# Altium PCB SupBigBrrg_0.PcbDoc (part 26 of 29) (continued)
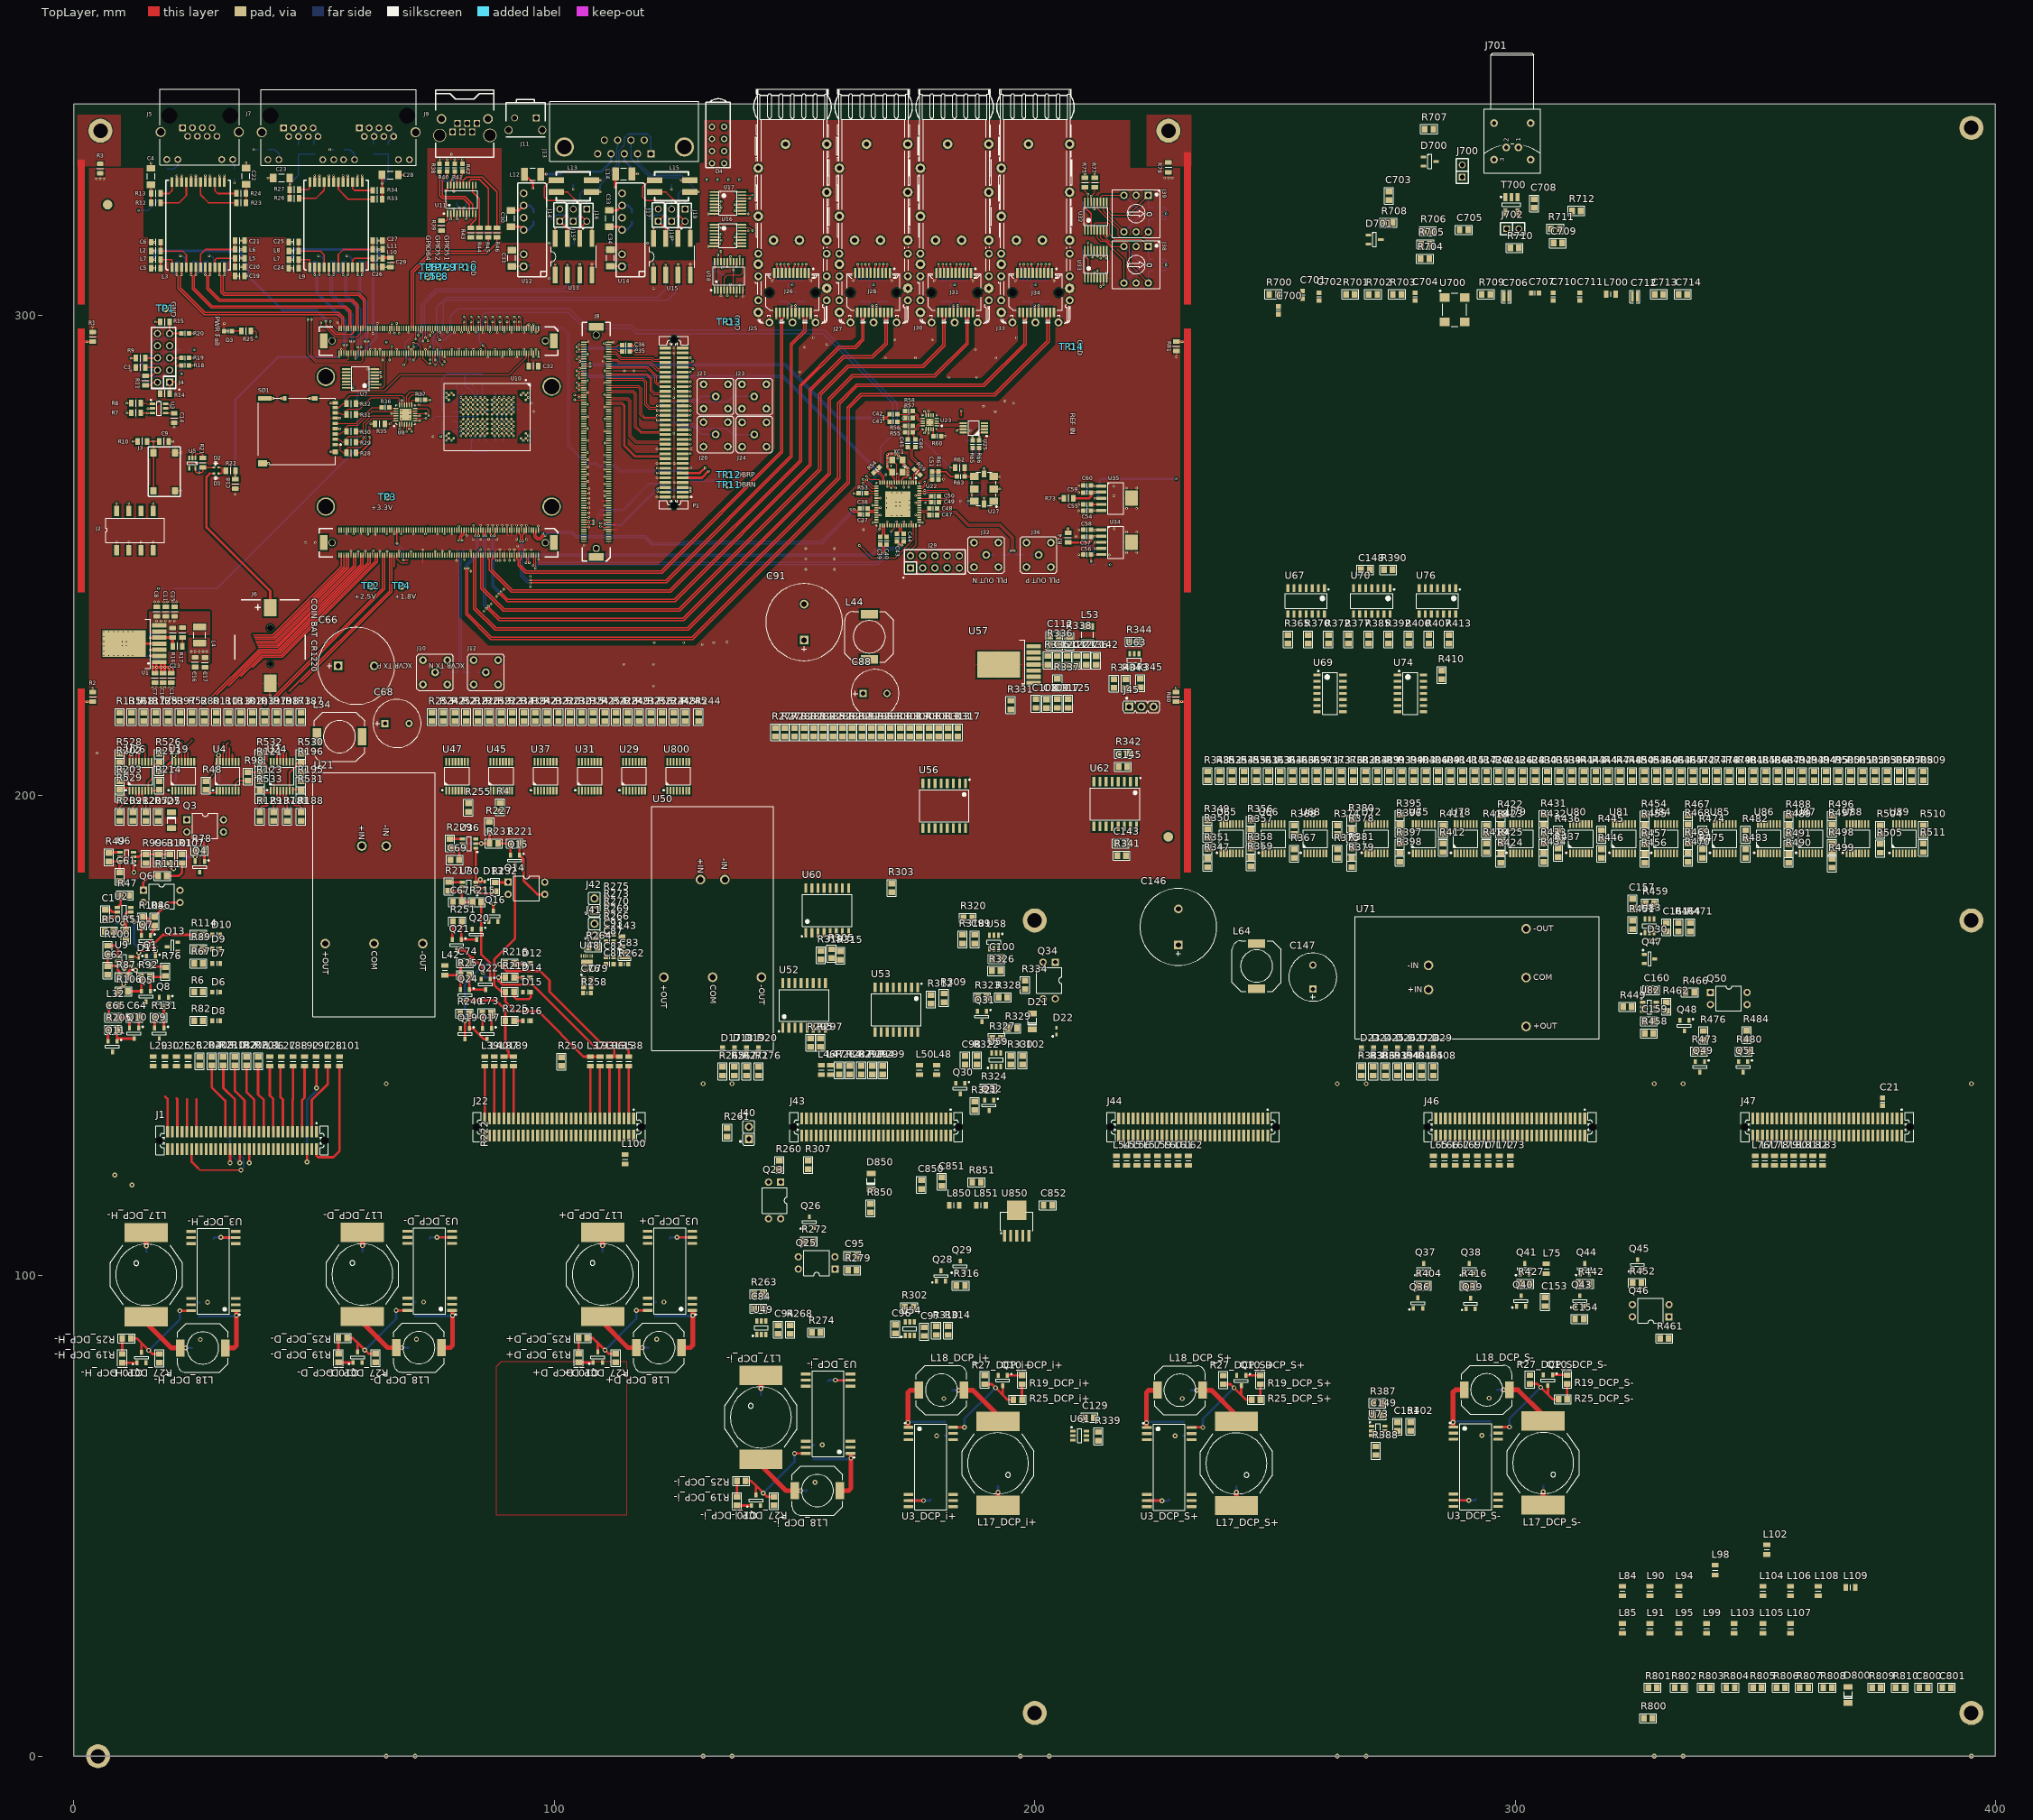
[diagram p0: TopLayer view]
## Nets (pads, with @x,y where several pads share a name; then routed paths per layer and width w, separated by ;. In a path a pad name is that pad's centre, name@x,y a point inside that pad or via, vN(x,y) a via of type N, cw(c..) or ccw(c..) an arc to the next point about the centre after c; other vN are vias at no path point) (continued)
  other v2: 155.75,64.8 229.25,66.7 179.6,66.715 293.1,66.785 27.8,94.5 72.8,94.55 122.8,94.55 12.1,118.9 8.5,121
GPIO51: J8.A82 TP9.1 | length 22.5
  TopLayer w0.15: J8.A82@76.675,292.05 76.675,290.85 v1(77.175,290.35)
  MidLayer4 w0.15: v1(77.175,290.35) 77.45,290.35 77.775,290.675 77.775,291.4 77.075,292.1 77.075,306.8 77.725,307.45 TP9.1@77.725,310
GPIO52: J8.A84 TP7.1 | length 23.6
  TopLayer w0.15: J8.A84@76.175,292.05 76.175,290.175 v1(76.675,289.675)
  MidLayer4 w0.15: TP7.1@75.8,310 77.1,308.7 77.1,307.391 76.675,306.966 v1(76.675,289.675)
GPIO57: J8.A98 R141.1 | length 99.2
  TopLayer w0.15: J8.A98@72.675,292.05 72.675,290.975 73.7,289.95 v1(74.175,289.95)
  MidLayer3 w0.15: v1(74.175,289.95) 74.675,290.45 74.675,295.475 75.325,296.125 75.325,296.775 75.55,297 81.5,297 82.1,297.6 82.1,300.025 83.59,301.515 86.2,301.515 129.734,301.515 131.455,303.236 131.455,317.28 136.525,322.35 136.525,326.25 v1(138.5,328.225)
  BottomLayer w0.15: R141.1@138.5,327.5 v1(138.5,328.225)
GPIO58: J8.A100 TP5.1 | length 19.7
  TopLayer w0.15: v1(70.675,294.175) 71.4,294.175 72.175,293.4 J8.A100@72.175,292.05
  MidLayer4 w0.15: v1(70.675,294.175) 71.35,294.175 74.825,297.65 74.825,306.175 73.625,307.375 TP5.1@73.625,308.075
GPIO63: J8.A92 TP8.1 | length 19.5
  TopLayer w0.15: v1(74.175,290.7) J8.A92@74.175,292.05
  MidLayer4 w0.15: v1(74.175,290.7) 75.18,291.705 75.18,293.055 75.675,293.55 75.675,306.625 76.05,307 TP8.1@76.05,308.075
GPIO64: J8.A94 TP6.1 | length 19.2
  TopLayer w0.15: J8.A94@73.675,292.05 73.675,292.925 v1(74.175,293.425)
  MidLayer4 w0.15: TP6.1@73.875,310 74.825,309.05 74.825,307.25 75.25,306.825 75.25,294.5 v1(74.175,293.425)
GTP_REF0.IO_N: C39.2 J8.B6 | length 78.6
  TopLayer w0.15: v1(95.59,247.875) 95.763,248.047 95.763,249.337 95.675,249.425 J8.B6@95.675,250.05
  TopLayer w0.25: C39.2@167.875,252.275 168.325,251.825 168.325,250.498 v1(168.203,250.375)
  BottomLayer w0.25: v1(95.59,247.875) 95.799,247.875 96.449,248.525 167.15,248.525 168.325,249.7 168.325,250.253 v1(168.203,250.375)
GTP_REF0.IO_P: C40.2 J8.B4 | length 79.5
  TopLayer w0.15: v1(96.06,247.35) 96.088,247.377 96.088,249.337 96.175,249.425 J8.B4@96.175,250.05
  TopLayer w0.25: v1(168.873,250.375) 168.75,250.498 168.75,251.825 C40.2@169.2,252.275
  BottomLayer w0.25: v1(96.06,247.35) 96.06,247.535 96.625,248.1 167.326,248.1 168.75,249.524 168.75,250.253 v1(168.873,250.375)
GTP_REF1.IO_N: C43.2 J8.B12 | length 82.6
  TopLayer w0.15: v1(94.09,248.475) 94.263,248.647 94.263,249.338 94.175,249.425 J8.B12@94.175,250.05
  TopLayer w0.25: C43.2@171.35,252.925 171.813,252.463 171.813,252.248 v1(171.69,252.125)
  BottomLayer w0.25: v1(94.09,248.475) 94.213,248.597 94.213,249.276 95.211,250.275 166,250.275 167.325,251.6 171.613,251.6 171.813,251.8 171.813,252.003 v1(171.69,252.125)
GTP_REF1.IO_P: C44.2 J8.B10 | length 82.6
  TopLayer w0.15: J8.B10@94.675,250.05 94.675,249.425 94.588,249.337 94.588,248.647 v1(94.76,248.475)
  TopLayer w0.25: v1(172.36,252.125) 172.238,252.248 172.238,252.463 C44.2@172.7,252.925
  BottomLayer w0.25: v1(94.76,248.475) 94.638,248.597 94.638,249.1 95.388,249.85 166.176,249.85 167.501,251.175 171.789,251.175 172.238,251.624 172.238,252.003 v1(172.36,252.125)
GTP_REF2.IO_N: C38.2 J8.B5 | length 74.7
  TopLayer w0.25: J8.B5@95.675,255.25 95.675,254.575 95.713,254.537 95.713,253.936 96.424,253.225 97.076,253.225 97.926,254.075 v1(98.1,254.075) ; v1(162.395,259.625) 162.645,259.375 163.2,259.375 C38.2@163.625,259.8
  BottomLayer w0.25: v1(98.1,254.075) 98.549,254.525 103.625,254.525 104.45,253.7 118.8,253.7 120.3,252.201 127.027,252.201 127.251,252.424 155.7,252.424 162.395,259.12 v1(162.395,259.625)
GTP_REF2.IO_P: C37.2 J8.B3 | length 74.2
  TopLayer w0.25: J8.B3@96.175,255.25 96.175,254.575 96.138,254.537 96.138,254.113 96.6,253.65 96.9,253.65 97.626,254.376 v1(97.626,254.549) ; v1(161.725,259.625) 161.725,259.524 162.299,258.95 163.2,258.95 C37.2@163.625,258.525
  BottomLayer w0.25: v1(97.626,254.549) 98.027,254.95 103.801,254.95 104.626,254.125 118.976,254.125 120.476,252.626 126.851,252.626 127.075,252.849 155.523,252.849 161.725,259.051 v1(161.725,259.625)
H_BUSY: J1.30 U4.5 | length 3.2
  TopLayer w0.5: v2(36.5,123.5) J1.30@36.5,126.396
  BottomLayer w0.3: v2@36.25,123.75 v2(36.5,123.5)
H_CNV: J1.26 U4.6
H_MX0: J1.50 U19.3
H_MX1: J1.46 U19.4
H_MX2: J1.42 U19.5
H_POK: C64.1 Q1.1 Q8.1 Q10.1 R87.2 R107.1 R111.1 R527.1 U9.1 | length 18.5
  TopLayer w0.3: 11.65,163.65 v2(12.85,163.65) ; Q1.1@16.95,166.6 v2(16.95,167.7) ; v2(16.95,167.7) 16.975,167.725 16.975,167.75 16.95,167.725 v2(16.95,167.7)
  TopLayer w0.5: R87.2@11.25,162.25 11.25,163.25 11.65,163.65 12,164 12,164.45 U9.1@11.9,164.55 ; Q10.1@13.45,151.6 13.5,151.65 C64.1@13.5,153.75 ; R111.1@19.3,183.25 21.75,183.25 22.5,184 R107.1@22.5,185.95
  BottomLayer w0.3: v2(12.85,163.65) 12.875,163.65 16.95,167.725 v2(16.95,167.7)
H_RSV0_: R188.2 U24.6 | length 6.4
  TopLayer w0.3: U24.6@44.225,201.021 44.225,199.55 44.725,199.05 44.85,199.05 46,197.9 46.95,197.9 47.25,197.6 R188.2@47.25,196.5
H_RSV1_: R181.2 U24.5 | length 4.9
  TopLayer w0.3: U24.5@43.575,201.021 43.575,199.25 44.4,198.425 R181.2@44.4,196.5
H_RSV2_: R137.2 U24.4 | length 5.1
  TopLayer w0.3: R137.2@41.55,196.5 41.55,198.05 42.925,199.425 U24.4@42.925,201.021
H_RSV3_: R129.2 U24.3 | length 6.5
  TopLayer w0.3: R129.2@38.7,196.5 38.7,197.325 39.2,197.825 40.069,197.825 42.275,200.031 U24.3@42.275,201.021
H_RSV4_: R212.2 U26.4 | length 5.1
  TopLayer w0.3: R212.2@12.25,196.5 12.25,197.6 13.529,198.879 U26.4@13.529,201.021
H_RSV5_: R209.2 U26.3 | length 7
  TopLayer w0.3: R209.2@9.5,196.5 9.5,197.525 10.175,198.2 12.025,198.2 12.879,199.054 U26.3@12.879,201.021
H_RSV6_: R207.2 U26.5 | length 4.9
  TopLayer w0.3: U26.5@14.179,201.021 14.179,199.071 15,198.25 R207.2@15,196.5
H_SCLK: J1.34 U4.4 | length 5
  TopLayer w0.5: v2(34.5,123.5) J1.34@34.5,126.396
  BottomLayer w0.3: 33,125 v2(34.5,123.5)
H_SDO: J1.38 U4.3 | length 8.7
  TopLayer w0.5: v2(32.5,123.5) J1.38@32.5,126.396
  BottomLayer w0.3: 31.75,129 32.5,128.25 v2(32.5,123.5)
H_SW: J1.22 U19.6
HPS_PORn: J8.A132 R8.2 U3.1 U10.M5 | length 81.7
  TopLayer w0.15: R8.2@13.925,281.675 15.025,281.675 15.165,281.535 U3.1@16.335,281.535 17.16,281.535 v1(17.675,282.05) ; v1(64.175,290.675) J8.A132@64.175,292.05 ; v1(82.55,279.875) U10.M5@83.05,279.375
  MidLayer3 w0.15: v1(17.675,282.05) 29.724,282.05 32.574,284.9 56.2,284.9 56.9,285.6 62.675,285.6 63.5,286.425 64.075,286.425 64.5,286.85 64.5,288.525 64.175,288.85 v1(64.175,290.675)
  MidLayer4 w0.15: v1(64.175,290.675) 67.5,287.35 70.35,287.35 77.325,280.375 82.05,280.375 v1(82.55,279.875)
HPS_RSTn: C9.1 J3.1 J3.2 J8.A124 R10.2 R190.1 | length 88.7
  TopLayer w0.15: J8.A124@66.175,292.05 v1(66.175,293.425)
  TopLayer w0.25: R10.2@15.225,273.725 15.24,273.71 v1(16.535,273.71) ; J3.1@16.535,263.435 J3.2@16.535,271.385 v1(16.535,273.71) ; C9.1@17.735,273.735 16.56,273.735 v1(16.535,273.71)
  MidLayer3 w0.15: v1(16.535,273.71) 16.535,282.46 18.65,284.575 18.65,289.2 19.25,289.8 20.525,289.8 21.445,288.88 25.055,288.88 26.05,289.875 26.05,291.745 v1(25.01,292.785) 25.01,294.163 27.117,296.27 60.898,296.27 61.862,295.305 65.47,295.305 66.175,294.6 v1(66.175,293.425)
  BottomLayer w0.3: R190.1@23.96,292.785 v1(25.01,292.785)
I2C_SCL: J8.A111
I2C_SDA: J8.A113
IN0_N: C114.2 U22.64 | length 2.6
  TopLayer w0.15: U22.64@175.975,264.425 176.7,264.425 177.1,264.825 v1(177.1,265.25)
  BottomLayer w0.15: v1(177.1,265.25) C114.2@177.1,266.175
IN0_P: C51.2 U22.63 | length 3.7
  TopLayer w0.15: U22.63@175.975,263.925 176.675,263.925 177.875,265.125 177.875,265.625 178.075,265.825 C51.2@178.625,265.825
in1: J44.23 U68.3
IN1_N: C45.2 R59.1 U22.2 | length 9.4
  TopLayer w0.15: C45.2@173.725,272.55 174.225,272.05 174.225,270.375 175.875,268.725 175.875,267.885 175.433,267.442 ; U22.2@174.775,265.125 174.775,265.625 174.863,265.713 174.863,266.872 175.433,267.442 ; R59.1@174.984,267.891 175.433,267.442
IN1_P: C46.2 R59.2 U22.1 | length 9.4
  TopLayer w0.15: C46.2@175.075,272.55 174.55,272.025 174.55,270.51 176.2,268.86 176.2,267.75 175.65,267.2 ; U22.1@175.275,265.125 175.275,265.625 175.188,265.713 175.188,266.737 175.65,267.2 ; R59.2@176.116,266.759 175.675,267.2 175.65,267.2
in2: J44.27 U68.4
IN2_N: C36.2 R54.1 U22.15 | length 90.4
  TopLayer w0.15: v1(166.828,267.528) 167.072,267.528 168.363,266.238 168.363,265.713 168.275,265.625 U22.15@168.275,265.125
  TopLayer w0.25: C36.2@115.7,293.8 116.3,293.8 116.628,293.472 v1(117.125,293.472)
  BottomLayer w0.15: v1(166.828,267.528) v1@166.828,267.722
  BottomLayer w0.25: v1(117.125,293.472) 117.003,293.35 106.649,293.35 105.9,292.601 105.9,288.199 107.074,287.025 147.525,287.025 v1@166.828,267.722
IN2_P: C35.2 R54.2 U22.14 | length 89.6
  TopLayer w0.15: v1(167.302,268.002) 167.302,267.758 168.688,266.372 168.688,265.713 168.775,265.625 U22.14@168.775,265.125
  TopLayer w0.25: C35.2@115.7,292.475 116.3,292.475 116.628,292.802 v1(117.125,292.802)
  BottomLayer w0.15: v1@167.149,268.002 v1(167.302,268.002)
  BottomLayer w0.25: v1(117.125,292.802) 117.003,292.925 106.825,292.925 106.325,292.425 106.325,288.375 107.25,287.45 147.701,287.45 v1@167.149,268.002
in3: J44.31 U68.5
in4: J44.35 U68.6
in5: J44.39 U78.3
in6: J44.43 U78.4
in7: J44.47 J47.23 U78.5
in8: J46.23 U78.6
in9: J46.27 U80.3
in10: J46.31 U80.4
in11: J46.35 U80.5
in12: J46.39 U80.6
in13: J46.43 U85.3
in14: J46.47 U85.4
in15: J47.27 U85.5
in16: J47.31 U85.6
in17: J47.35 U89.6
in18: J47.39 U89.5
in19: J47.43 U89.4
in20: J47.47 U89.3
inOut1: J44.38 U65.6
inOut2: J44.42 U65.5
inOut3: J44.46 U65.4
inOut4: J44.50 U65.3
inOut5: J44.54 U72.6
inOut6: J44.58 U72.5
inOut7: J44.62 J46.38 U72.4
inOut8: J46.42 U72.3
inOut9: J46.46 U79.6
inOut10: J46.50 U79.5
inOut11: J46.54 U79.4
inOut12: J46.58 U79.3
inOut13: J46.62 U84.6
inOut14: J47.38 U84.5
inOut15: J47.42 U84.4
inOut16: J47.46 U84.3
inOut17: J47.50 U87.6
inOut18: J47.54 U87.5
inOut19: J47.58 U87.4
inOut20: J47.62 U87.3
intG: C9_DCP_i+.2 C9_DCP_i-.2 C13_DCP_i+.2 C13_DCP_i-.2 C84.1 C94.1 C95.2 C96.1 C97.1 C98.1 C99.2 C100.2 C102.1 C143.1 C274.1 C280.1 C287.1 C288.2 C289.1 C291.1 C292.2 C295.1 C850.2 C851.2 C852.2 D17.1 D18.2 D19.1 D20.2 D21.2 D22.2 D850.2 J40.2 J43.4 J43.8 J43.12 J43.16 J43.20 J43.24 J43.28 J43.32 J43.36 J43.40 J43.44 J43.48 J43.52 J43.56 J43.60 J43.64 Q23.3 Q25.2 Q25.4 Q28.2 Q30.2 Q34.2 Q34.4 R261.2 R268.2 R310.2 R318.2 R330.2 U3_DCP_i+.13 U3_DCP_i-.13 U49.5 U50.4 U52.2 U52.8 U53.9 U53.15 U54.2 U56.9 U56.15 U58.5 U59.2 U60.2 U60.8 U62.9 U62.15 U850.3 U850.6 | length 12.6
  TopLayer w0.5: v2(158.5,78.3) 158.515,78.285 U3_DCP_i-.13@161.65,78.285 ; U3_DCP_i+.13@173.7,53.23 176.835,53.23 v2(176.85,53.215)
  BottomLayer w0.5: C13_DCP_i-.2@157,78.1 157.2,78.3 v2(158.5,78.3) 159.8,78.3 C9_DCP_i-.2@160,78.1 ; C9_DCP_i+.2@175.35,53.415 175.55,53.215 v2(176.85,53.215) 178.15,53.215 C13_DCP_i+.2@178.35,53.415
IO_AL1: J8.A15 U22.12 | length 101
  TopLayer w0.15: v1(92.675,299.625) 93.175,299.125 J8.A15@93.175,297.25 ; U22.12@169.775,265.125 169.775,264.425 v1(170.175,264.025)
  MidLayer3 w0.15: v1@170.175,263.975 v1(170.175,264.025)
  MidLayer4 w0.15: v1(92.675,299.625) 93.105,300.055 93.3,300.055 125.155,300.055 130.13,295.08 146.729,295.08 168.325,273.484 168.325,268.4 170.175,266.55 v1(170.175,264.025)
IO_AL2: J8.A17 U22.18 | length 97.2
  TopLayer w0.15: J8.A17@92.675,297.25 v1(92.675,298.575) v1@92.675,298.625 ; v1(164.25,265.8) 166.125,263.925 U22.18@167.075,263.925
  MidLayer4 w0.15: v1(92.675,298.575) 93.495,298.575 94.335,299.415 124.89,299.415 129.865,294.44 146.464,294.44 164.25,276.654 v1(164.25,265.8)
IO_AL3: J8.A19 U22.16 | length 99.6
  TopLayer w0.15: v1(91.675,299.625) 92.175,299.125 J8.A19@92.175,297.25 ; v1(165,266.45) 165.625,265.825 167.55,265.825 167.775,265.6 U22.16@167.775,265.125
  MidLayer4 w0.15: v1(91.675,299.625) 92.175,299.125 93.225,299.125 93.835,299.735 125.023,299.735 129.998,294.76 146.596,294.76 164.57,276.786 164.57,266.88 v1(165,266.45)
IO_AL4: J8.A21 U22.19 | length 98.8
  TopLayer w0.15: J8.A21@91.675,297.25 v1(91.675,298.575) v1@91.675,298.625 ; v1(164.225,265.075) 165.875,263.425 U22.19@167.075,263.425
  MidLayer4 w0.15: v1(91.675,298.575) 92.17,298.08 93.452,298.08 94.467,299.095 124.758,299.095 129.733,294.12 146.331,294.12 163.9,276.551 163.9,266.325 163.755,266.18 163.755,265.545 v1(164.225,265.075)
IO_AL5: J8.A25 R119.2 U27.7 | length 123.1
  TopLayer w0.15: v1(90.175,299.625) 90.675,299.125 J8.A25@90.675,297.25
  TopLayer w0.25: U27.7@189.45,260.75 v1(189.45,261.925)
  MidLayer4 w0.15: v1@90.15,299.65 90.901,300.401 125.299,300.401 130.3,295.4 146.925,295.4 169.665,272.66 176.215,272.66 179.225,269.65 185.975,269.65 188.375,267.25 188.375,263 v1(189.45,261.925)
  BottomLayer w0.25: v1(189.45,261.925) 189.45,260.75 R119.2@189.525,260.675
IO_AL6: J8.A27 U22.47 | length 126.2
  TopLayer w0.15: J8.A27@90.175,297.25 v1(90.175,298.625) ; v1(163.5,252.075) 166.05,249.525 170.95,249.525 174.775,253.35 U22.47@174.775,256.225
  MidLayer4 w0.15: v1(90.175,298.625) 90.625,298.625 91.525,297.725 93.55,297.725 94.6,298.775 124.625,298.775 129.6,293.8 146.199,293.8 163.58,276.419 163.58,266.68 163.325,266.425 163.325,265.35 163.5,265.175 v1(163.5,252.075)
IO_AL7: J8.A31 R120.2 U27.8 | length 119.9
  TopLayer w0.15: v1(88.675,299.625) 89.175,299.125 J8.A31@89.175,297.25
  TopLayer w0.25: U27.8@189.45,266.95 v1(189.45,268.125)
  MidLayer4 w0.15: v1(88.675,299.625) 90.091,301.041 125.564,301.041 130.565,296.04 147.19,296.04 169.93,273.3 176.547,273.3 179.272,270.575 187,270.575 v1(189.45,268.125)
  BottomLayer w0.25: R120.2@189.425,267.025 189.425,268.1 v1(189.45,268.125)
IO_AL8: J8.A33 U27.2 | length 123.1
  TopLayer w0.15: J8.A33@88.675,297.25 v1(88.675,298.625)
  TopLayer w0.25: U27.2@191.45,263.85 v1(192.75,263.85)
  MidLayer4 w0.15: v1(88.675,298.625) 89.5,299.45 89.5,299.825 90.396,300.721 90.55,300.721 125.431,300.721 130.433,295.72 147.058,295.72 169.798,272.98 176.37,272.98 179.25,270.1 186.5,270.1 v1(192.75,263.85)
IO_AL9: J8.A37 R66.1 | length 118.5
  TopLayer w0.15: v1(87.175,299.625) 87.675,299.125 J8.A37@87.675,297.25 ; v1(188.45,271.175) R66.1@188.45,272.325
  MidLayer4 w0.15: v1(87.175,299.625) 89.261,301.711 125.841,301.711 130.843,296.71 147.468,296.71 170.208,273.97 176.783,273.97 179.003,271.75 187.875,271.75 v1(188.45,271.175)
IO_AL10: J8.A39 R65.1 | length 116.2
  TopLayer w0.15: J8.A39@87.175,297.25 v1(87.175,298.625) ; v1(187.075,271.175) R65.1@187.075,272.325
  MidLayer4 w0.15: v1(87.175,298.625) 87.775,299.225 87.775,299.5 89.666,301.391 125.709,301.391 130.71,296.39 147.335,296.39 170.075,273.65 176.65,273.65 179.125,271.175 v1(187.075,271.175)
IO_AL11: J8.A49 R77.1 U16.14 U17.14 U18.18 U32.14 U33.14 | length 177.3
  TopLayer w0.15: v1(84.175,299.625) 84.675,299.125 J8.A49@84.675,297.25 ; U18.18@134.7,311.125 v1@134.7,313.4 ; U16.14@139.095,317.575 v1(140.35,317.575) ; U17.14@139.095,324.35 v1(140.7,324.35) ; U33.14@211.75,313.52 v1(211.75,314.79) ; U32.14@211.75,323.545 v1(211.75,324.815) 212.525,325.59 R77.1@212.525,326.6
  MidLayer3 w0.15: v1(84.175,299.625) 84.175,299.9 84.82,300.545 86.2,300.545 130.135,300.545 132.425,302.835 132.425,312.125 133.6,313.3 v1(134.675,313.3) 135.175,313.8 138.325,313.8 140.35,315.825 v1(140.35,317.575) 140.35,318.55 139.525,319.375 139.525,322.278 140.7,323.453 v1(140.7,324.35) 140.7,327.025 142.02,328.345 143.867,328.345 210.433,328.345 211.42,327.358 211.42,326.105 211.75,325.775 v1(211.75,324.815) v1(211.75,314.79)
IO_AL12: J8.A51 R75.1 U16.15 U17.15 U18.19 U32.15 U33.15 | length 177
  TopLayer w0.15: J8.A51@84.175,297.25 v1(84.175,298.625) ; U18.19@134.05,311.125 v1(134.05,312.55) ; U16.15@139.095,318.225 140.675,318.225 v1(141.275,317.625) ; U17.15@139.095,325 v1(141.2,325) ; R75.1@210.475,326.6 210.475,325.815 v1(211.1,325.19) U32.15@211.1,323.545 ; U33.15@211.1,313.52 v1(211.1,315.165)
  MidLayer3 w0.15: v1(84.175,298.625) 84.725,299.175 84.725,299.65 85.295,300.22 86.2,300.22 130.27,300.22 132.75,302.7 132.75,311.9 133.38,312.53 134.7,312.53 135.65,313.48 138.58,313.48 141.275,316.175 v1(141.275,317.625) 141.275,318.175 139.845,319.605 139.845,322.095 141.2,323.45 v1(141.2,325) 141.2,326.885 142.34,328.025 210.3,328.025 211.1,327.225 v1(211.1,325.19) v1(211.1,315.165)
IO_AL13: J8.A55 R139.1 U17.13 | length 82.2
  TopLayer w0.15: v1(82.675,299.625) 83.175,299.125 J8.A55@83.175,297.25 ; v1(137.9,323.7) U17.13@139.095,323.7
  MidLayer3 w0.15: v1(82.675,299.625) 82.675,299.875 83.995,301.195 84.925,301.195 129.866,301.195 131.775,303.104 131.775,312.65 133.375,314.25 133.375,316.6 134.375,317.6 137.525,317.6 139.175,319.25 139.175,323.15 138.625,323.7 v1(137.9,323.7)
  BottomLayer w0.15: v1(137.9,323.7) R139.1@139.15,323.7
IO_AL14: J8.A57 R140.1 U16.13 | length 72.4
  TopLayer w0.15: J8.A57@82.675,297.25 v1(82.675,298.625) ; v1(137.9,316.925) U16.13@139.095,316.925
  MidLayer3 w0.15: v1(82.675,298.625) 83.225,299.175 83.225,299.675 84.42,300.87 86.2,300.87 130.001,300.87 132.1,302.969 132.1,312.35 133.675,313.925 134.2,313.925 137.2,316.925 v1(137.9,316.925)
  BottomLayer w0.15: v1(137.9,316.925) R140.1@139.1,316.925
IO_AL15: J8.A61 R145.1 | length 81.2
  TopLayer w0.15: v1(81.175,299.625) 81.675,299.125 J8.A61@81.675,297.25
  MidLayer3 w0.15: v1(81.175,299.625) 81.175,300.7 82.63,302.155 129.469,302.155 130.815,303.502 130.815,317.545 133.525,320.255 133.525,327.75 v1(134,328.225)
  BottomLayer w0.15: R145.1@134,327.5 v1(134,328.225)
IO_AL16: J8.A63 R143.1 | length 81.8
  TopLayer w0.15: J8.A63@81.175,297.25 v1(81.175,298.625)
  MidLayer3 w0.15: v1(81.175,298.625) 81.75,299.2 81.75,300.5 83.085,301.835 86.2,301.835 129.601,301.835 131.135,303.369 131.135,317.413 136.205,322.483 136.205,328.18 v1(136.25,328.225)
  BottomLayer w0.15: R143.1@136.25,327.5 v1(136.25,328.225)
IO_AL17: J8.A67
IO_AL18: J8.A69
IO_AL19: J8.A73
IO_AL20: J8.A75
IO_AL21: J8.A79
IO_AL22: J8.A81
IO_AL25: J8.A85 R62.2 | length 132.2
  TopLayer w0.15: J8.A85@75.675,297.25 75.675,295.375 v1(76.175,294.875) ; v1(182.45,268.25) R62.2@183.425,268.25
  BottomLayer w0.25: v1(76.175,294.875) 77.175,294.875 78.375,296.075 78.375,299.825 79.857,301.307 80.6,301.307 103.193,301.307 106.543,297.957 116.168,297.957 117.025,297.1 117.25,296.875 156.2,296.875 171.375,281.7 171.375,275.225 172.975,273.625 177.075,273.625 v1(182.45,268.25)
IO_AR1: J8.A16
IO_AR2: J8.A18
IO_AR3: J8.A22
IO_AR4: J8.A24
IO_AR5: J8.A28
IO_AR6: J8.A30
IO_AR7: J8.A34
IO_AR8: J8.A36
IO_AR9: J8.A40
IO_AR10: J8.A42
IO_AR11: J8.A46 R53.2 | length 125.8
  TopLayer w0.15: v1(85.175,293.75) 85.675,293.25 J8.A46@85.675,292.05 ; v1(162.375,262.925) R53.2@163.325,262.925
  BottomLayer w0.25: v1(85.175,293.75) 84.425,294.5 84.425,297.1 84.975,297.65 84.975,299.9 85.675,300.6 102.9,300.6 106.25,297.25 115.875,297.25 116.975,296.15 155.925,296.15 170.4,281.675 170.4,275.1 167.9,272.6 167.9,267.3 163.525,262.925 v1(162.375,262.925)
IO_AR12: J8.A48
IO_AR13: J8.A52
IO_AR14: J8.A54
IO_AR15: J8.A58
IO_AR16: J8.A60
IO_AR17: J8.A64
IO_AR18: J8.A66
IO_AR19: J8.A70
IO_AR20: J8.A72
IO_AR21: J8.A76
IO_AR22: J8.A78
IO_BL1: J8.B7
IO_BL2: J8.B9 | length 0.1
  TopLayer w0.25: 94.675,255.875 94.72,255.92
IO_BL3: J8.B57 R361.2
IO_BL4: J8.B59 R363.2 | length 0.1
  TopLayer w0.15: J8.B59@82.175,255.25 J8.B59@82.215,255.21
IO_BL5: J8.B75 R364.2
IO_BL6: J8.B77 R366.2
IO_BL7: J8.B81 R369.2
IO_BL8: J8.B83 R371.2
IO_BL9: J8.B87 R373.2
IO_BL10: J8.B89 R376.2
IO_BL11: J8.B91 R348.2
IO_BL12: J8.B93 R352.2 | length 0
  TopLayer w0.25: 73.675,255.875 73.7,255.9
IO_BL13: J8.B97 R354.2
IO_BL14: J8.B99 R355.2
IO_BL15: J8.B101 R399.2
IO_BL16: J8.B103 R406.2
IO_BL17: J8.B107 R286.1
IO_BL18: J8.B109 R285.1
IO_BL19: J8.B111 R288.1
IO_BL20: J8.B113 R245.2
IO_BL21: J8.B117 R256.2
IO_BL22: J8.B119 R237.2 | length 7.9
  TopLayer w0.25: J8.B119@67.175,255.25 67.12,255.195 67.12,254.775 67.22,254.676 67.22,253.03 67.25,253 v3(67.25,252.5) ; v3(68.5,249) 69.552,249
  BottomLayer w0.25: v3(67.25,252.5) 68.5,251.25 v3(68.5,249)
IO_BL23: J8.B123 R254.2
IO_BL24: J8.B125 R241.1
IO_BL25: J8.B129 R235.2
IO_BL26: J8.B131 R230.2
IO_BL27: J8.B133 R220.2
IO_BL28: J8.B135 R233.2
IO_BL29: J8.B139 R242.2
IO_BL30: J8.B141 R239.2
IO_BL31: J8.B145 R234.2
IO_BL32: J8.B147 R223.2
IO_BL33: J8.B151 R259.2
IO_BL34: J8.B153 R226.2
IO_BL35: J8.B157 R218.2
IO_BL36: J8.B159 R252.2
IO_BL37: J8.B163 R247.2
IO_BL38: J8.B165 R253.2
IO_BR1: J8.B72
IO_BR2: J8.B74
IO_BR3: J8.B78
IO_BR4: J8.B80
IO_BR5: J8.B84
IO_BR6: J8.B86
IO_BR7: J8.B90
IO_BR8: J8.B92
IO_BR9: J8.B94
IO_BR10: J8.B96
IO_BR11: J8.B100
IO_BR12: J8.B102
IO_BR13: J8.B104
IO_BR14: J8.B106
IO_BR15: J8.B110
IO_BR16: J8.B112 R244.2
IO_BR17: J8.B114 R248.2
IO_BR18: J8.B116 R224.2
IO_BR19: J8.B120 R249.2 | length 3.4
  TopLayer w0.2: J8.B120@67.175,250.05 67.175,249.325 68.02,248.48 69.513,248.48
IO_BR20: J8.B122 R228.2 | length 2.4
  TopLayer w0.25: 66.675,247.615 J8.B122@66.675,250.05
IO_BR21: J8.B124 R187.2 | length 34.3
  TopLayer w0.25: 47.25,223.55 66.175,242.475 J8.B124@66.175,250.05
IO_BR22: J8.B126 R173.2 | length 37.1
  TopLayer w0.25: 44.733,221.633 65.675,242.575 J8.B126@65.675,250.05
IO_BR23: J8.B130 R198.2 | length 38.8
  TopLayer w0.25: 42.217,220.517 64.675,242.975 J8.B130@64.675,250.05
IO_BR24: J8.B132 R197.2 | length 41.6
  TopLayer w0.25: 39.7,218.633 64.175,243.108 J8.B132@64.175,250.05
IO_BR25: J8.B136 R103.2 | length 36.5
  TopLayer w0.25: 37.183,226.683 39.28,228.78 43.314,228.78 63.175,248.641 J8.B136@63.175,250.05
IO_BR26: J8.B138 R102.2 | length 39.3
  TopLayer w0.25: 34.667,224.761 39.106,229.2 43.14,229.2 62.675,248.735 J8.B138@62.675,250.05
IO_BR27: J8.B142 R113.2 | length 41.8
  TopLayer w0.25: 32.15,222.85 38.92,229.62 42.966,229.62 61.675,248.329 J8.B142@61.675,250.05
IO_BR28: J8.B144 R110.2 | length 44.6
  TopLayer w0.25: 29.6,220.894 38.746,230.04 42.792,230.04 61.175,248.423 J8.B144@61.175,250.05
IO_BR29: J8.B148 R80.2@27.117,217.3 | length 47.1
  TopLayer w0.25: 27.117,219.005 38.572,230.46 42.618,230.46 60.175,248.017 J8.B148@60.175,250.05
IO_BR30: J8.B150 R52.2 | length 30.4
  TopLayer w0.25: 38.398,230.88 42.444,230.88 59.675,248.111 J8.B150@59.675,250.05
IO_BR31: J8.B154 R97.2 | length 29.6
  TopLayer w0.25: 38.224,231.3 42.27,231.3 58.675,247.705 J8.B154@58.675,250.05
IO_BR32: J8.B156 R83.2 | length 29.1
  TopLayer w0.25: 38.02,231.72 42.096,231.72 58.175,247.799 J8.B156@58.175,250.05
IO_BR33: J8.B160 R125.2 | length 28.3
  TopLayer w0.25: 37.846,232.14 41.922,232.14 57.175,247.393 J8.B160@57.175,250.05
IO_BR34: J8.B162 R117.2 | length 27.7
  TopLayer w0.25: 37.672,232.56 41.748,232.56 56.675,247.487 J8.B162@56.675,250.05
IO_BR35: J8.B164 R168.2 | length 27.2
  TopLayer w0.25: 37.498,232.98 41.574,232.98 56.175,247.581 J8.B164@56.175,250.05
IO_BR36: J8.B166 R135.2 | length 26.6
  TopLayer w0.25: 37.324,233.4 41.4,233.4 55.675,247.675 J8.B166@55.675,250.05
IO_CL1: J8.C63
IO_CL2: J8.C65
IO_CL3: J8.C69
IO_CL4: J8.C71
IO_CL5: J8.C75
IO_CL6: J8.C77
IO_CL7: J8.C79
IO_CL8: J8.C81
IO_CL9: J8.C85
IO_CL10: J8.C87
IO_CL11: J8.C89
IO_CL12: J8.C91
IO_CL13: J8.C95
IO_CL14: J8.C97
IO_CL15: J8.C99
IO_CL16: J8.C101
IO_CL17: J8.C105
IO_CL18: J8.C107
IO_CL19: J8.C109
IO_CL20: J8.C111
IO_CL21: J8.C115 P1.18 | length 21.4
  TopLayer w0.15: J8.C115@111.325,281.4 111.95,281.4 112.04,281.49 113.96,281.49 114.425,281.025 114.425,272.73 116.68,270.475 121.8,270.475 122.125,270.15 P1.18@123.1,270.15
IO_CL22: J8.C117 P1.20 | length 21.4
  TopLayer w0.15: J8.C117@111.325,281.9 111.95,281.9 112.01,281.84 114.105,281.84 114.775,281.17 114.775,272.875 116.825,270.825 121.8,270.825 122.125,271.15 P1.20@123.1,271.15
IO_CL23: J8.C119 P1.24 | length 19.9
  TopLayer w0.15: J8.C119@111.325,282.4 111.95,282.4 112.04,282.49 115.11,282.49 115.6,282 115.6,274.78 116.905,273.475 121.575,273.475 121.8,273.475 122.125,273.15 P1.24@123.1,273.15
IO_CL24: J8.C121 P1.26 | length 19.9
  TopLayer w0.15: J8.C121@111.325,282.9 111.95,282.9 112.01,282.84 115.255,282.84 115.95,282.145 115.95,274.925 117.05,273.825 121.575,273.825 121.8,273.825 122.125,274.15 P1.26@123.1,274.15
IO_CL25: J8.C125 P1.28 | length 19.5
  TopLayer w0.15: J8.C125@111.325,283.9 111.95,283.9 112.04,283.99 116.285,283.99 116.75,283.525 116.75,276.7 117.975,275.475 121.575,275.475 121.8,275.475 122.125,275.15 P1.28@123.1,275.15
IO_CL26: J8.C127 P1.30 | length 19.5
  TopLayer w0.15: J8.C127@111.325,284.4 111.95,284.4 112.01,284.34 116.43,284.34 117.1,283.67 117.1,276.845 118.12,275.825 121.575,275.825 121.8,275.825 122.125,276.15 P1.30@123.1,276.15
IO_CL27: J8.C129 P1.34 R149.2 | length 19.2
  TopLayer w0.15: J8.C129@111.325,284.9 111.95,284.9 112.04,284.99 117.41,284.99 117.85,284.55 117.85,279.275 118.65,278.475 121.1,278.475 v1(121.425,278.15) P1.34@123.1,278.15
  BottomLayer w0.15: v1(121.425,278.15) 121.925,277.65 R149.2@122.725,277.65
IO_CL28: J8.C131 P1.36 R150.2 | length 19.1
  TopLayer w0.15: J8.C131@111.325,285.4 111.95,285.4 112.01,285.34 117.555,285.34 118.2,284.695 118.2,279.42 118.795,278.825 121.1,278.825 v1(121.425,279.15) P1.36@123.1,279.15
  BottomLayer w0.15: v1(121.425,279.15) 121.575,279 R150.2@122.725,279
IO_CL29: J8.C135 P1.38 R151.2 | length 18.5
  TopLayer w0.15: J8.C135@111.325,286.4 111.95,286.4 112.04,286.49 118.36,286.49 118.9,285.95 118.9,281.325 119.75,280.475 121.1,280.475 v1(121.425,280.15) P1.38@123.1,280.15
  BottomLayer w0.15: v1(121.425,280.15) 121.65,280.375 R151.2@122.725,280.375
IO_CL30: J8.C137 P1.40 R152.2 | length 18.7
  TopLayer w0.15: J8.C137@111.325,286.9 111.95,286.9 112.01,286.84 118.505,286.84 119.25,286.095 119.25,281.47 119.895,280.825 121.1,280.825 v1(121.425,281.15) P1.40@123.1,281.15
  BottomLayer w0.15: v1(121.425,281.15) 122.025,281.75 R152.2@122.725,281.75
IO_CL31: J8.C139 P1.44 | length 15.1
  TopLayer w0.15: J8.C139@111.325,287.4 111.95,287.4 112.04,287.49 119.21,287.49 119.95,286.75 119.95,284.275 120.75,283.475 121.8,283.475 122.125,283.15 P1.44@123.1,283.15
IO_CL32: J8.C141 P1.46 | length 15
  TopLayer w0.15: J8.C141@111.325,287.9 111.95,287.9 112.01,287.84 119.355,287.84 120.3,286.895 120.3,284.45 120.925,283.825 121.8,283.825 122.125,284.15 P1.46@123.1,284.15
IO_CL33: J8.C145 P1.48 | length 14.2
  TopLayer w0.15: J8.C145@111.325,288.9 111.95,288.9 112.04,288.99 119.285,288.99 120.975,287.3 120.975,285.972 121.472,285.475 121.8,285.475 122.125,285.15 P1.48@123.1,285.15
IO_CL34: J8.C147 P1.50 | length 14.2
  TopLayer w0.15: J8.C147@111.325,289.4 111.95,289.4 112.01,289.34 119.43,289.34 121.325,287.445 121.325,286.075 121.575,285.825 121.8,285.825 122.125,286.15 P1.50@123.1,286.15
IO_CL35: J8.C151 P1.54 | length 12.8
  TopLayer w0.15: J8.C151@111.325,290.4 111.95,290.4 112.04,290.49 112.96,290.49 113.45,290 119.8,290 121.325,288.475 121.8,288.475 122.125,288.15 P1.54@123.1,288.15
IO_CL36: J8.C153 P1.56 | length 12.8
  TopLayer w0.15: J8.C153@111.325,290.9 111.95,290.9 112.01,290.84 113.105,290.84 113.595,290.35 120.05,290.35 121.575,288.825 121.8,288.825 122.125,289.15 P1.56@123.1,289.15
IO_CL37: J8.C157 P1.58 | length 12.5
  TopLayer w0.15: J8.C157@111.325,291.9 112.725,291.9 113.8,290.825 120.225,290.825 120.575,290.475 121.8,290.475 122.125,290.15 P1.58@123.1,290.15
IO_CL38: J8.C159 P1.60 | length 12.6
  TopLayer w0.15: J8.C159@111.325,292.4 112.775,292.4 114.025,291.15 120.45,291.15 120.775,290.825 121.8,290.825 122.125,291.15 P1.60@123.1,291.15
IO_CL39: C35.1 J8.C161 | length 3
  TopLayer w0.15: J8.C161@111.325,292.9 112.925,292.9 113.35,292.475 C35.1@114.1,292.475
IO_CL40: C36.1 J8.C163 | length 2.9
  TopLayer w0.15: J8.C163@111.325,293.4 112.85,293.4 113.25,293.8 C36.1@114.1,293.8